# Altium PCB PCB2.PcbDoc
Units mil, origin at the board's own origin, x right, y up, seen from the top; angles counter-clockwise.
Board outline 3815 x 3365 mil, 2 copper layers (Top Layer, Bottom Layer); 22 components, 31 nets, 110 pads, 6 vias.
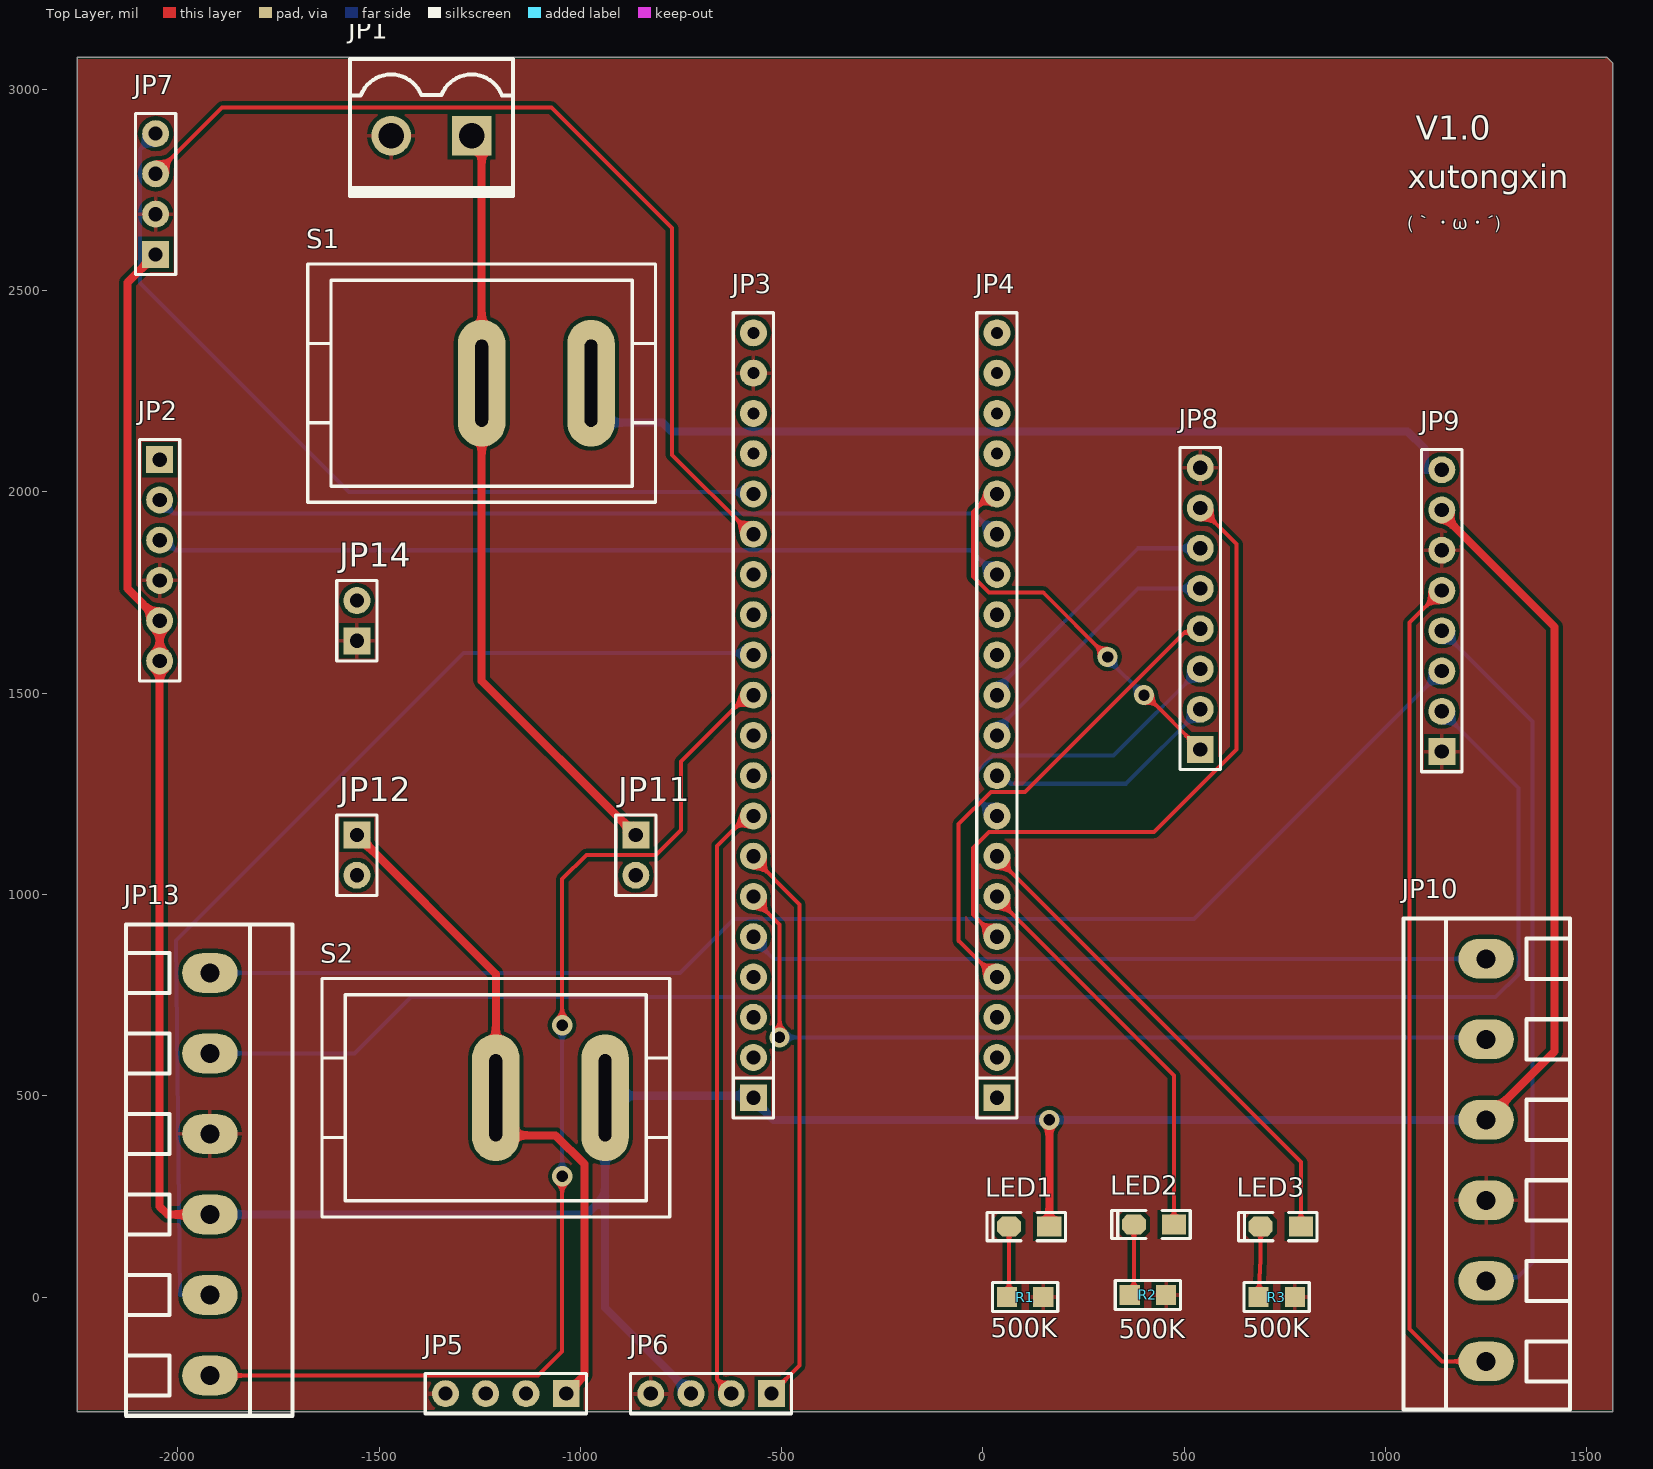
[diagram p0: Top Layer view]
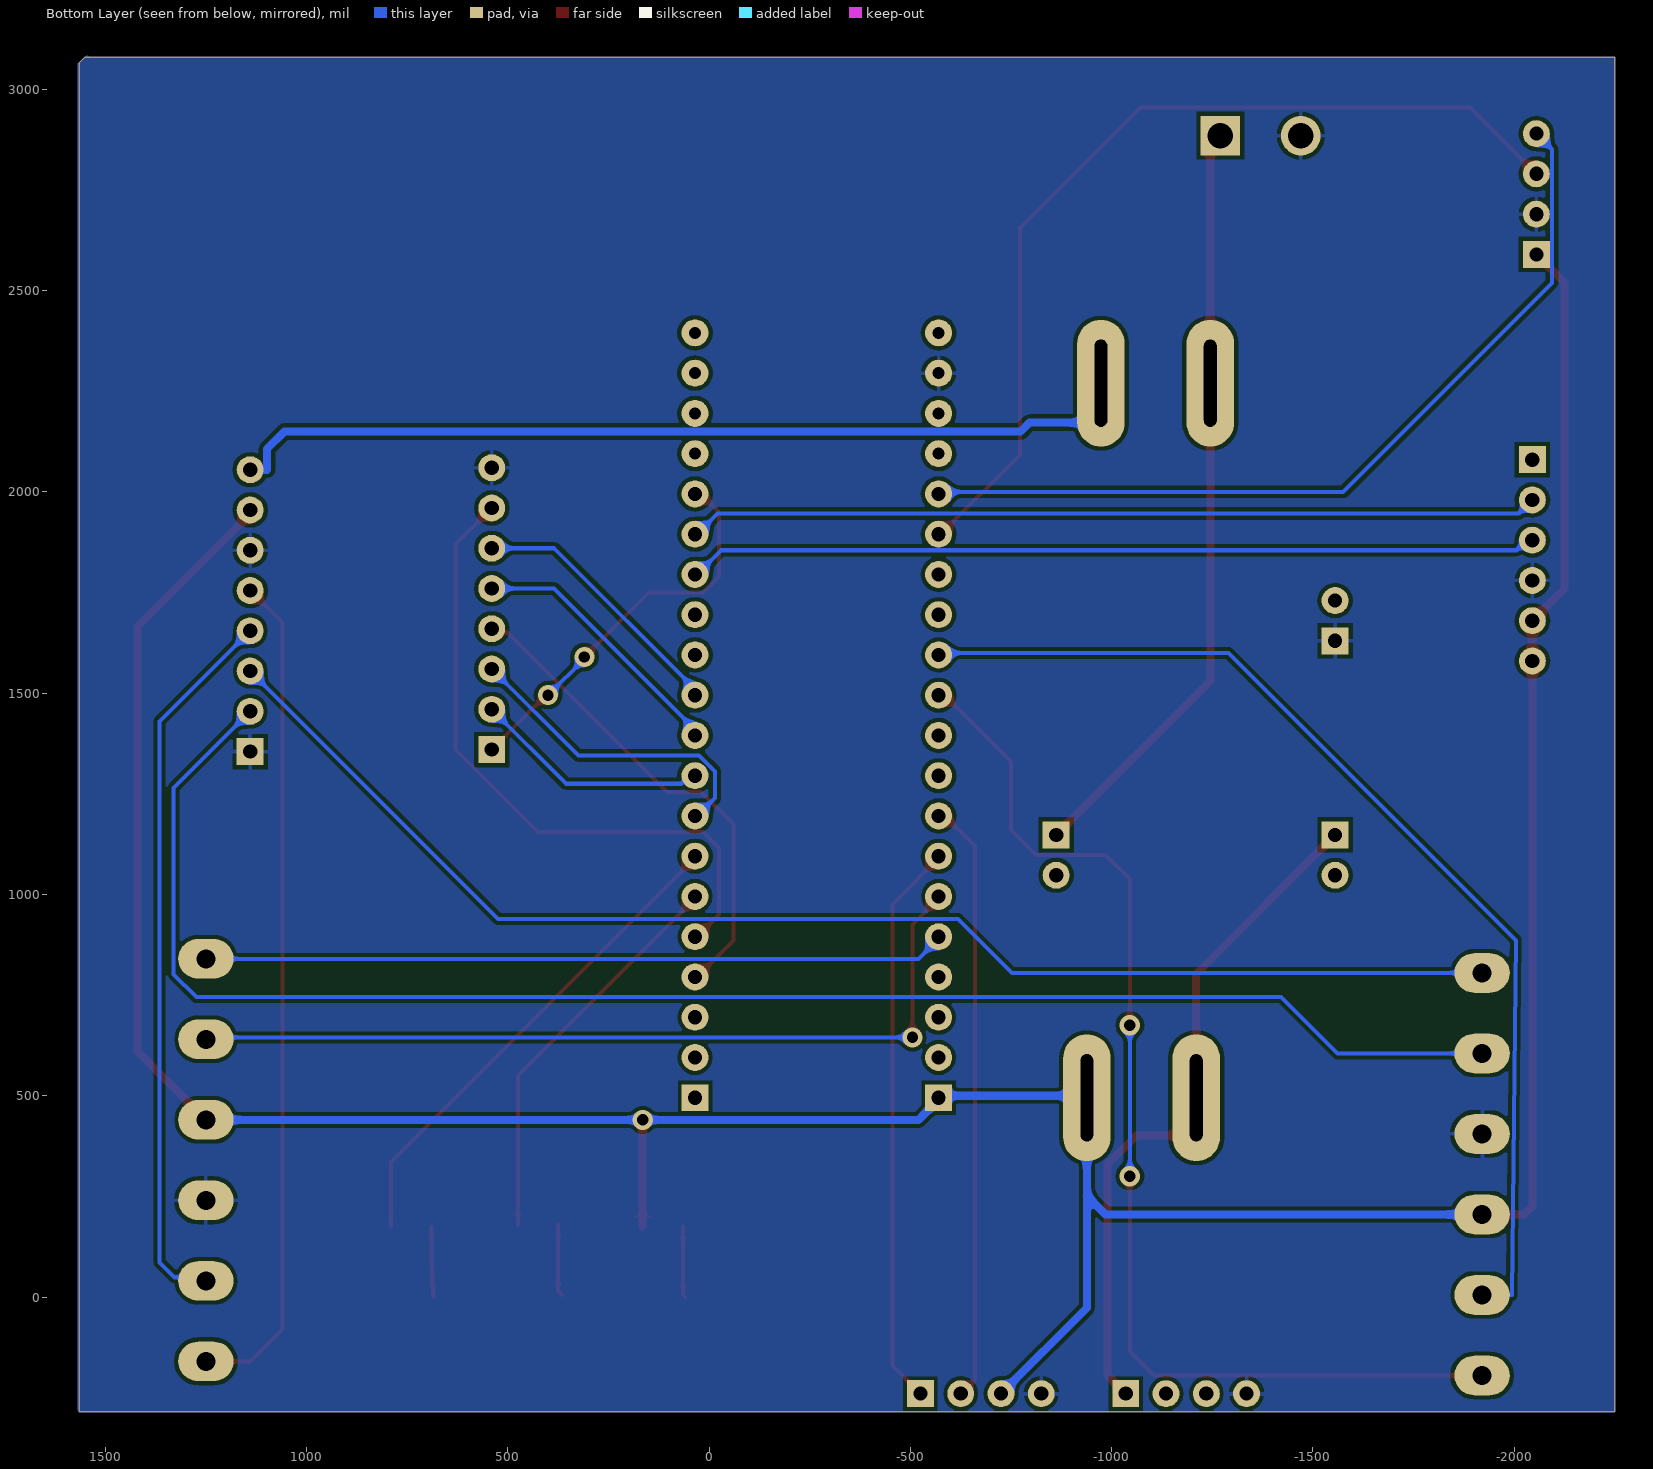
[diagram p1: Bottom Layer view, seen from below]

## Layer stack, top to bottom
Top Solder: solder mask 0.4, Solder Resist, Dk 3.5
Top Layer: signal copper 1.4
Dielectric 1: dielectric 12.6, FR-4, Dk 4.8
Bottom Layer: signal copper 1.4
Bottom Solder: solder mask 0.4, Solder Resist, Dk 3.5

## Board outline
-2250,-285 1565,-285 1565,3065.52 1550.52,3080 -2250,3080

## Design rules (kind name [scope] priority, off if disabled: settings)
Clearance [All] p1: gap=10 ignorepadtopadclearanceinfootprint=FALSE except(0: Arc-Hole Track-Hole SMDPad-Hole THPad-Hole Via-Hole Fill-Hole Poly-Hole Region-Hole Text-Hole)
PolygonConnect [All] p1: connectstyle=Relief reliefconductorwidth=10 reliefentries=4 polygonreliefangle="90 Angle" airgapwidth=10
RoutingVias [All] p1: holewidth=28 width=50 viastyle="Through Hole" minholewidth=28 minwidth=50 maxholewidth=28 maxwidth=50
SilkToSilkClearance [All] p1: silktosilkclearance=0
SilkToSolderMaskClearance [IsPad] p1: minsilkscreentomaskgap=0 clearancetoexposedcopper=TRUE
SolderMaskExpansion [All] p1: expansion=4 istentingtop=FALSE
Width [All] p1: maxlimit=20 minlimit=10 preferedwidth=10
28 further rules are at their usual default settings.

## Components (designator, comment, footprint, x,y, rotation, side; value= is the part's Value field where it differs from the comment)
JP1 "HDR-1X2" KF2EDGK5.08-LI-2P -1370,2885 r180 top
JP2 "HDR-1X6" HDR2.54-M-LI-6P -2045,1830 r270 top
JP3 "HDR-1X20" HDR2.54-M-LI-20P -570,1445 r90 top
JP4 "HDR-1X20" HDR2.54-M-LI-20P 35,1445 r90 top
JP5 "HDR-1X4" HDR2.54-M-LI-4P -1185,-240 r180 top
JP6 "HDR-1X4" HDR2.54-M-LI-4P -675,-240 r180 top
JP7 "HDR-1X4" HDR2.54-M-LI-4P -2055,2740 r90 top
JP8 "HDR-1X8" HDR2.54-M-LI-8P 540,1710 r90 top
JP9 "HDR-1X8" HDR2.54-M-LI-8P 1140,1705 r90 top
JP10 "HDR-1X6" KF128-5.08-6P 1250,340 r90 top
JP11 "HDR-1X2" HDR2.54-M-LI-2P -862.09,1097.72 r270 top
JP12 "HDR-1X2" HDR2.54-M-LI-2P -1555,1097.72 r270 top
JP13 "HDR-1X6" KF128-5.08-6P -1920,305 r270 top
JP14 "HDR-1X2" HDR2.54-M-LI-2P -1555,1680 r90 top
LED1 "绿色" "LED 0805G" 115,175 r180 top
LED2 "红色" "LED 0805G" 425,180 r180 top
LED3 "红色" "LED 0805G" 740,175 r180 top
R1 "500K" "R 0805_M" 105,0 r0 top
R2 "500K" "R 0805_M" 410,5 r0 top
R3 "500K" "R 0805_M" 730,0 r0 top
S1 "KCD1-101" KCD1-101 -1245,2270 r0 top
S2 "KCD1-101" KCD1-101 -1210,495 r0 top

## Footprints (in the part's own frame and the unit in brackets; to place one, negate y for a bottom-side part, rotate by r counter-clockwise, add the part's x,y. Pads: shape width x height; smd on the part's side, far side on the other; paste and mask are expansions set on the pad)
HDR2.54-M-LI-2P [mm] "排母，2脚    淘宝ID:黄晶宝石   店铺网址:https://shop463601444.taobao.com"
  rect 1.7x1.7 hole 0.9: 1(-1.27,0)
  round 1.7 hole 0.9: 2(1.27,0)
  silkscreen extent -2.54,-1.27 2.54,1.27, body extent -2.54,-1.27 2.54,1.27, height 8.5
HDR2.54-M-LI-4P [mm] "排母，4脚  淘宝ID:黄晶宝石   店铺网址:https://shop463601444.taobao.com"
  rect 1.7x1.7 hole 0.9: 1(-3.81,0)
  round 1.7 hole 0.9: 2(-1.27,0) 3(1.27,0) 4(3.81,0)
  silkscreen extent -5.08,-1.27 5.08,1.27, body extent -5.08,-1.27 5.08,1.27, height 8.5
HDR2.54-M-LI-6P [mm] "排母，6脚  淘宝ID:黄晶宝石   店铺网址:https://shop463601444.taobao.com"
  rect 1.7x1.7 hole 0.9: 1(-6.35,0)
  round 1.7 hole 0.9: 2(-3.81,0) 3(-1.27,0) 4(1.27,0) 5(3.81,0) 6(6.35,0)
  silkscreen extent -7.62,-1.27 7.62,1.27, body extent -7.62,-1.27 7.62,1.27, height 8.5
HDR2.54-M-LI-8P [mm] "排母，8脚"
  rect 1.7x1.7 hole 0.9: 1(-8.89,0)
  round 1.7 hole 0.9: 2(-6.35,0) 3(-3.81,0) 4(-1.27,0) 5(1.27,0) 6(3.81,0) 7(6.35,0) 8(8.89,0)
  silkscreen extent -10.16,-1.27 10.16,1.27, body extent -10.16,-1.27 10.16,1.27, height 8.5
HDR2.54-M-LI-20P [mm] "排母，20脚"
  rect 1.7x1.7 hole 0.9: 1(-24.13,0)
  round 1.7 hole 0.9: 2(-21.59,0) 3(-19.05,0) 4(-16.51,0) 5(-13.97,0) 6(-11.43,0) 7(-8.89,0) 8(-6.35,0) 9(-3.81,0) 10(-1.27,0) 11(1.27,0) 12(3.81,0) 13(6.35,0) 14(8.89,0) 15(11.43,0) 16(13.97,0)
  round 1.7 hole 0.762: 17(16.51,0) 18(19.05,0) 19(21.59,0) 20(24.13,0)
  silkscreen extent -25.4,-1.27 25.4,1.27, body extent -25.4,-1.27 25.4,1.27, height 8.5
KCD1-101 [mm] "船型开关立式      淘宝ID:黄晶宝石"
  oval 3x8 hole 0.8 slot 5.5 at 90 deg: 1(0,0) 2(6.9,0)
  silkscreen extent -10.97,-7.52 10.97,7.52, body extent -10.95,-7.5 10.95,7.5, height 20.3
KF2EDGK5.08-LI-2P [mm] "立插端子"
  rect 2.5x2.5 hole 1.6: 1(-2.54,0)
  round 2.5 hole 1.6: 2(2.54,0)
  silkscreen extent -5.16,-4.83 5.13,3.81, body extent -5.08,-4.75 5.08,3.75, height 11.25
KF128-5.08-6P [mm] "螺钉式接线端子，脚距5.08mm"
  oval 2.5x3.5 hole 1.2: 1(-12.7,0) 2(-7.62,0) 3(-2.54,0) 4(2.54,0) 5(7.62,0) 6(12.7,0)
  silkscreen extent -15.75,-5.31 15.24,5.21, body extent -15.74,-5.3 15.24,5.2, height 14.15
"LED 0805G" [mil] "绿色0805LED                              淘宝ID:黄晶宝石"
  rect 60x50 smd: 1(-50,0)
  oct 60x50 smd: 2(50,0)
  silkscreen extent -90,-35 105,35, body extent -39,-25 39,25, height 32
"R 0805_M" [mil] "1/8W贴片电阻"
  rect 50x50 smd: 1(-45,0) 2(45,0)
  silkscreen extent -81,-36 81,36, body extent -39,-25 39,25, height 20

## Part data
JP1 JP11 JP12 JP14: library part "Header 2", "2P接插件"
  JP1: BOM名称=12V进入, 学习资源=www.ooocke.com, 版权归属=源创客
  JP11: BOM名称=DM02-2, 版权归属="封装库来自淘宝 ID：黄晶宝石", 联系售后=https://shop463601444.taobao.com
  JP12: BOM名称=DM02-1, 版权归属="封装库来自淘宝 ID：黄晶宝石", 联系售后=https://shop463601444.taobao.com
  JP14: BOM名称=DM02-3, 版权归属="封装库来自淘宝 ID：黄晶宝石", 联系售后=https://shop463601444.taobao.com
JP2 JP10 JP13: library part "Header 6", "6P接插件"
  JP2: BOM名称=HB-03, 学习资源=https://shop463601444.taobao.com, 版权归属="封装库来自淘宝 ID：黄晶宝石"
  JP10: BOM名称=左电机, 学习资源=www.ooocke.com, 版权归属=源创客
  JP13: BOM名称=右电机, 学习资源=www.ooocke.com, 版权归属=源创客
JP3 JP4: library part "Header 20", "20P接插件", 学习资源=https://shop463601444.taobao.com, 版权归属="封装库来自淘宝 ID：黄晶宝石"
  JP3: BOM名称=stm32-1
  JP4: BOM名称=stm32-2
JP5 JP6 JP7: library part "Header 4", "4P接插件", 学习资源=https://shop463601444.taobao.com, 版权归属="封装库来自淘宝 ID：黄晶宝石"
  JP5: BOM名称=USB-C
  JP6: BOM名称=USART2
  JP7: BOM名称=6050
JP8 JP9: library part "Header 8", "8P接插件", 学习资源=https://shop463601444.taobao.com, 版权归属="封装库来自淘宝 ID：黄晶宝石"
  JP8: BOM名称=TB6612接插件1
  JP9: BOM名称=TB6612接插件2
LED1 LED2 LED3: library part LED-SMD, "贴片LED", 学习资源=www.ooocke.com, 版权归属=源创客
  LED1: BOM名称=电源指示
  LED2 LED3: BOM名称=贴片LED
R1 R2 R3: library part R, "贴片电阻", BOM名称=贴片电阻, 版权归属="来自淘宝 ID：黄晶宝石", 联系售后=https://shop463601444.taobao.com
  R2: ComponentLink1Description="New link"
S1 S2: "1路单刀船型开关", BOM名称=1路单刀船型开关, 学习资源=www.ooocke.com, 版权归属="封装库来自淘宝 ID：黄晶宝石"

## Via types
v1: diameter 50, hole 28, Top Layer to Bottom Layer, 6 vias

## Nets (pads, with @x,y where several pads share a name; then routed paths per layer and width w, separated by ;. In a path a pad name is that pad's centre, name@x,y a point inside that pad or via, vN(x,y) a via of type N, cw(c..) or ccw(c..) an arc to the next point about the centre after c; other vN are vias at no path point)
5V: JP2.5 JP2.6 JP3.1 JP6.3 JP7.1 JP9.7 JP10.4 JP13.4 LED1.1 S2.2 | length 8569.4
  Top Layer w20: JP7.1 -2125,2520 -2125,1760 JP2.5 JP2.6 -2045,225 -2025,205 JP13.4 ; LED1.1 v1(165,440) ; JP9.7 1140,1944.82 1420,1664.82 1420,610 JP10.4
  Bottom Layer w20: JP13.4 -985,205 -938.35,251.65 ; JP6.3 -938.35,-26.65 -938.35,251.65 ; JP10.4 v1(165,440) -520,440 -580,500 -938.35,500 S2.2 -938.35,251.65
5V_IN: JP5.1 JP12.1 S2.1 | length 1698.1
  Top Layer w20: JP12.1 -1210,802.72 S2.1 -1210,451.52 -1160.06,401.57 -1061.57,401.57 -990,330 -990,-195 JP5.1
12V: JP9.8 S1.2 | length 2290.3
  Bottom Layer w20: S1.2 -973.35,2172 -796,2172 -774,2150 1055,2150 1098,2107 1098,2055 JP9.8
12V_IN: JP1.1 JP11.1 S1.1 | length 1906.2
  Top Layer w20: JP1.1 -1245,2860 S1.1 -1245,1530.63 JP11.1
A01: JP9.5 JP10.1 | length 2091.3
  Top Layer w10: JP9.5 1060,1675 1060,-80 1140,-160 JP10.1
A02: JP9.4 JP10.2 | length 1796.3
  Bottom Layer w10: JP9.4 1365,1430 1365,86 1328.04,49.04 1259.04,49.04 JP10.2
AIN1: JP4.8 JP8.3 | length 781.4
  Bottom Layer w10: JP4.8@25,1200 -14,1239 -14,1306 25,1345 325,1345 JP8.3
AIN2: JP4.9 JP8.2 | length 589.9
  Bottom Layer w10: JP4.9 49.32,1295 69.32,1275 355,1275 JP8.2
B01: JP9.3 JP13.1 | length 3370.7
  Bottom Layer w10: JP13.1 -752,805 -618,939 524,939 JP9.3
B02: JP9.2 JP13.2 | length 4063.9
  Bottom Layer w10: JP13.2 -1561,605 -1421,745 1274,745 1330,801 1330,1265 JP9.2
BIN1: JP4.10 JP8.5 | length 664.1
  Bottom Layer w10: JP4.10@25,1400 385,1760 JP8.5
BIN2: JP4.11 JP8.6 | length 664.1
  Bottom Layer w10: JP4.11@25,1500 385,1860 JP8.6
BRX: JP2.2 JP4.15 | length 2103.1
  Bottom Layer w10: JP2.2 -2011,1946 -21,1946 JP4.15@25,1900
BTX: JP2.3 JP4.14 | length 2103.1
  Bottom Layer w10: JP2.3 -2030.68,1880 -2005.68,1855 -30,1855 JP4.14@25,1800
GND: JP1.2 JP2.4 JP3.19 JP5.4 JP6.4 JP7.2 JP8.8 JP9.1 JP9.6 JP10.3 JP13.3 JP14.1 R1.2 R2.2 R3.2
L2_B7: JP4.6 LED2.1 | length 1006.4
  Top Layer w10: JP4.6@25,1000 475,550 LED2.1
L3_B6: JP4.7 LED3.1 | length 1241.9
  Top Layer w10: JP4.7@25,1100 790,335 LED3.1
LA: JP3.5 JP10.6 | length 1854.9
  Bottom Layer w10: JP3.5@-580,900 -520,840 JP10.6
LB: JP3.6 JP10.5 | length 2143.1
  Top Layer w10: JP3.6@-580,1000 -505,925 v1(-505,645)
  Bottom Layer w10: v1(-505,645) 1245,645 JP10.5
NetLED1_2: LED1.2 R1.1 | length 177.1
  Top Layer w10: R1.1 65,5 LED1.2
NetLED2_2: LED2.2 R2.1 | length 179.1
  Top Layer w10: R2.1 375,15 LED2.2
NetLED3_2: LED3.2 R3.1 | length 175.1
  Top Layer w10: R3.1 690,93 LED3.2
PWMA-PA8: JP4.16 JP8.1 | length 981.8
  Top Layer w10: JP4.16@25,2000 -25,1950 -25,1790 15,1750 150,1750 v1(310,1590) ; v1(400,1495) 405,1495 JP8.1
  Bottom Layer w10: v1@315,1590 v1(310,1590) 310,1585 v1(400,1495)
PWMB-PA0: JP4.5 JP8.7 | length 1629.5
  Top Layer w10: JP4.5@25,900 -25,950 -25,1115 15,1155 425,1155 630,1360 630,1870 JP8.7
RA: JP3.11 JP13.6 | length 2828.8
  Top Layer w10: JP13.6 -1105,-195 -1045,-135 v1(-1045,300) ; v1(-1045,675) -1045,1038 -985,1098 -812,1098 -750,1160 -750,1330 JP3.11@-580,1500
  Bottom Layer w10: v1(-1045,300) v1(-1045,675)
RB: JP3.12 JP13.5 | length 2674.7
  Bottom Layer w10: JP13.5 -1993.9,5 -2003.9,886.1 -1290,1600 JP3.12@-580,1600
SCL2: JP3.15 JP7.3 | length 2310.1
  Top Layer w10: JP7.3 -1890,2955 -1072,2955 -772,2655 -772,2092 JP3.15@-580,1900
SDA2: JP3.16 JP7.4 | length 2116.1
  Bottom Layer w10: JP7.4 -2094,2851 -2094,2519 -1575,2000 JP3.16@-580,2000
STBY: JP4.4 JP8.4 | length 1211.1
  Top Layer w10: JP4.4@25,800 -60,885 -60,1175 20,1255 105,1255 500.73,1650.73 530.73,1650.73 JP8.4
USART2_RX: JP3.8 JP6.2 | length 1487.6
  Top Layer w10: JP6.2 -660,-205 -660,1120 JP3.8@-580,1200
USART2_TX: JP3.7 JP6.1 | length 1420.8
  Top Layer w10: JP3.7@-580,1100 -455,975 -455,-170 JP6.1
pads on no net: JP2.1 JP3.2 JP3.3 JP3.4 JP3.9 JP3.10 JP3.13 JP3.14 JP3.17 JP3.18 JP3.20 JP4.1 JP4.2 JP4.3 JP4.12 JP4.13 JP4.17 JP4.18 JP4.19 JP4.20 JP5.2 JP5.3 JP11.2 JP12.2 JP14.2

## Polygon pours and split planes (outlines as drawn)
GND on Top Layer "GND_L01_P000" (solid, remove dead copper, pour order 0): 1550,3080 1565,3065 1565,-280 -2250,-280 -2250,3075 1545,3075
GND on Bottom Layer "GND_L02_P001" (solid, remove dead copper, pour order 1): -2250,3080 -2250,-285 1565,-285 1570,-280 1570,3065 1565,3065 1545,3085 1540,3080

## Silkscreen, mask and mechanical layers (free items; w line width, h text height)
Top Overlay:
  text "V1.0" at 1075,2875 h60
  text "xutongxin" at 1055,2735 h100
  text "(｀・ω・´)" at 1055,2640.05 h60
Mechanical 1:
  lines w10: -2250,-285 1565,-285 1565,2270 1565,3065.52 1550.52,3080 -2250,3080 -2250,-285